# Altium PCB Thunderscope_Rev4.PCBDOC (part 6 of 7)
Units mm, origin at the board's own origin, x right, y up, seen from the top; angles counter-clockwise.
Board outline 119 x 103.6 mm, 6 copper layers (Top Layer, Int1 (GND), Int2 (Sign), Int3 (Sign), Int4 (GND), Bottom Layer), stack 1.49 mm thick; 636 components, 373 nets, 2159 pads, 1291 vias.
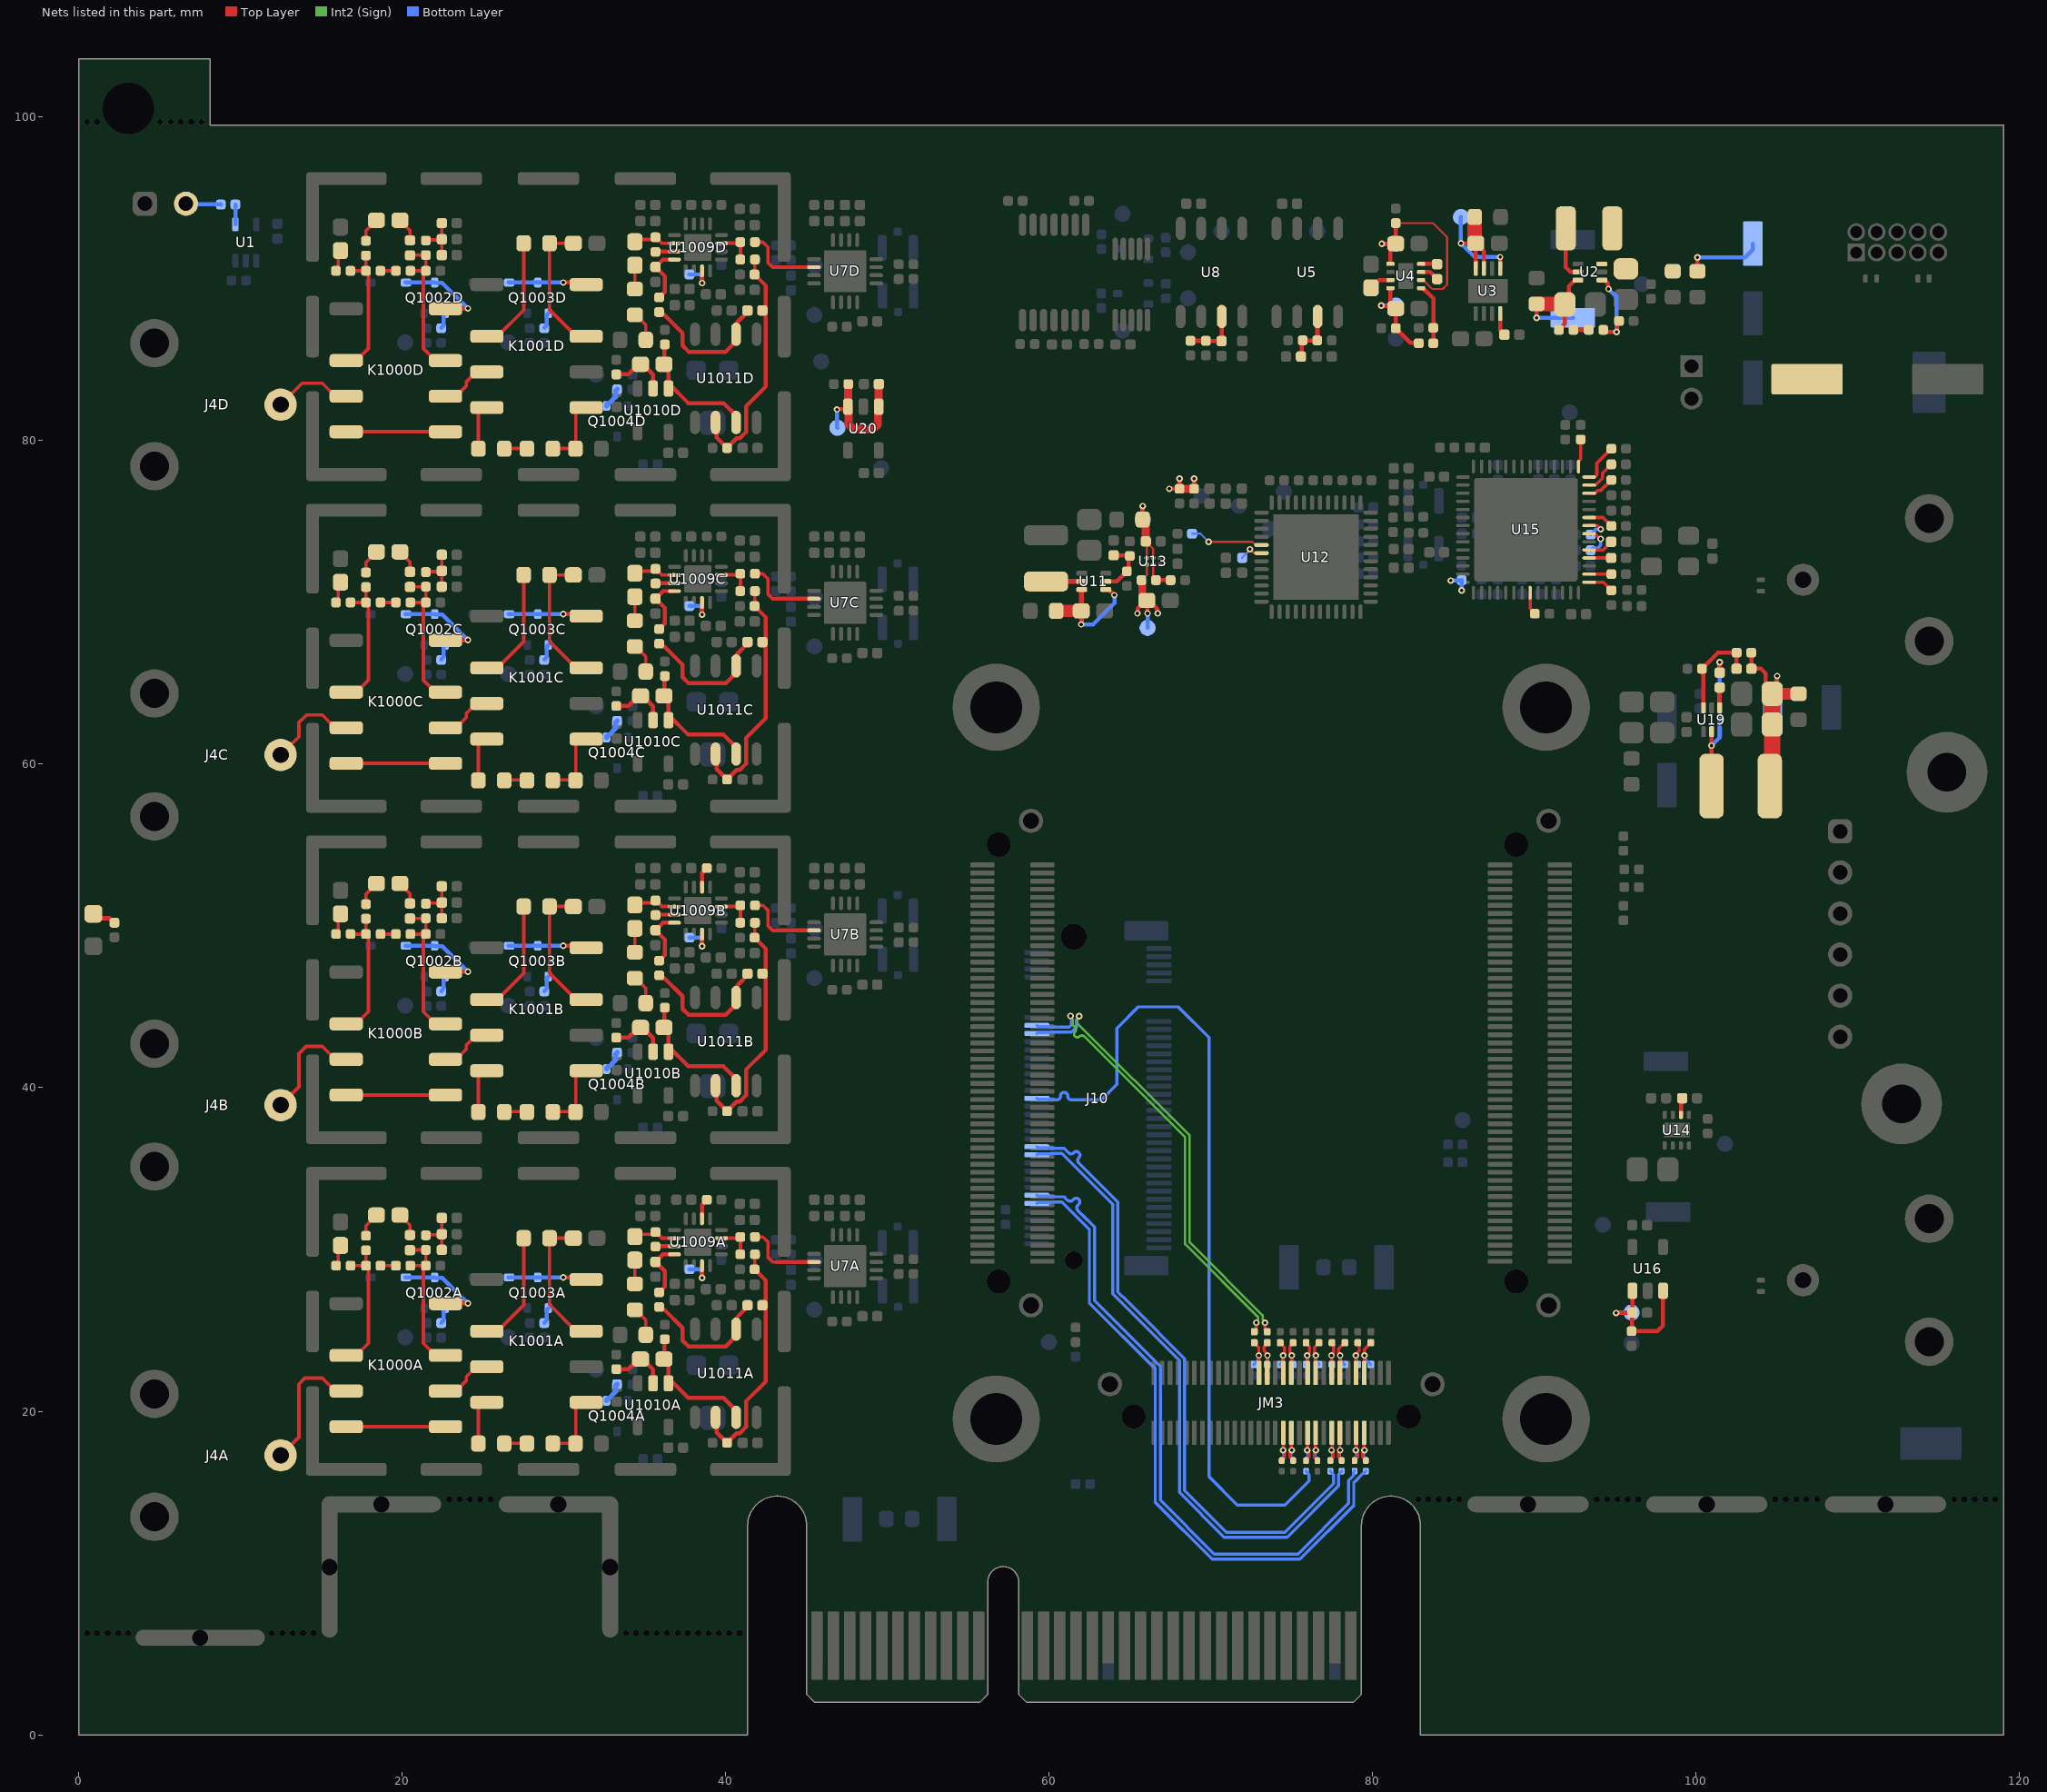
[diagram p10: the nets of this part, all layers, seen from the top]

## Via types
v1: diameter 0.406, hole 0.203, Top Layer to Bottom Layer, tented both sides, 1291 vias

## Nets (pads, with @x,y where several pads share a name; then routed paths per layer and width w, separated by ;. In a path a pad name is that pad's centre, name@x,y a point inside that pad or via, vN(x,y) a via of type N, cw(c..) or ccw(c..) an arc to the next point about the centre after c; other vN are vias at no path point) (continued)
M2_PET1_P: J10.38 R79.2 | length 51.8
  Bottom Layer w0.191: J10.38@59.225,39.35 59.282,39.293 60.069,39.293 60.103,39.259 60.378,39.259 60.474,39.259 ccw(c60.474,39.481) 60.696,39.481 60.696,39.491 cw(c60.919,39.491) 60.919,39.713 cw(c60.919,39.491) 61.141,39.491 61.141,39.481 ccw(c61.363,39.481) 61.363,39.259 61.777,39.259 63.234,39.259 64.175,40.199 64.175,43.675 65.5,45 67.974,45 69.868,43.107 69.868,15.957 71.625,14.2 74.575,14.2 76.066,15.691 76.066,16.084 75.875,16.275 R79.2@75.875,16.3
M2_PET2_N: J10.24 R74.2 | length 38.9
  Bottom Layer w0.191: J10.24@59.225,35.85 59.282,35.907 60.069,35.907 60.103,35.941 60.784,35.941 63.925,32.8 63.925,27.25 64.925,26.25 68.05,23.125 68.05,15.238 68.05,14.975 70.818,12.207 74.698,12.207 77.884,15.393 77.884,16.084 78.075,16.275 R74.2@78.075,16.3
M2_PET2_P: J10.26 R75.2 | length 38.9
  Bottom Layer w0.191: J10.26@59.225,36.35 59.282,36.293 60.069,36.293 60.103,36.259 60.916,36.259 61.125,36.05 61.192,35.982 ccw(c61.349,36.14) 61.507,35.982 61.513,35.989 cw(c61.671,35.832) 61.828,35.989 cw(c61.671,35.832) 61.828,35.674 61.821,35.668 ccw(c61.978,35.51) 61.821,35.353 61.98,35.194 62.048,35.127 64.243,32.932 64.243,27.382 64.851,26.774 65.15,26.475 68.368,23.257 68.368,15.107 70.949,12.525 74.566,12.525 77.566,15.525 77.566,16.084 77.375,16.275 R75.2@77.375,16.3
M2_PET3_N: J10.12 R70.2 | length 40.1
  Bottom Layer w0.191: J10.12@59.225,32.85 59.282,32.907 60.069,32.907 60.103,32.941 60.784,32.941 62.475,31.25 62.475,26.701 66.55,22.626 66.55,14.375 70.068,10.857 75.507,10.857 78.824,14.174 78.824,15.588 79.431,16.195 79.495,16.195 79.575,16.275 R70.2@79.575,16.3
M2_PET3_P: J10.14 R71.2 | length 40.1
  Bottom Layer w0.191: J10.14@59.225,33.35 59.282,33.293 60.069,33.293 60.103,33.259 60.916,33.259 61.062,33.112 61.13,33.045 ccw(c61.287,33.202) 61.444,33.045 61.504,33.104 cw(c61.661,32.947) 61.818,33.104 cw(c61.661,32.947) 61.818,32.79 61.759,32.73 ccw(c61.916,32.573) 61.759,32.416 61.932,32.242 62,32.175 62.793,31.382 62.793,26.832 66.868,22.757 66.868,14.507 70.199,11.175 75.375,11.175 78.506,14.306 78.506,15.72 78.809,16.023 78.809,16.234 R71.2@78.875,16.3
M2_REFCLK_N: C80.1 J10.54 | length 27.8
  Top Layer w0.191: v1(73.33,25.473) 73.33,25.361 73.342,25.35 73.342,25.048 C80.1@73.475,24.915
  Int2 (Sign) w0.148: v1(61.85,44.425) 61.85,44.355 61.725,44.23 61.725,44 68.675,37.05 68.675,30.439 73.187,25.927 73.187,25.687 73.33,25.543 v1(73.33,25.473)
  Bottom Layer w0.191: J10.54@59.225,43.35 59.282,43.407 59.982,43.407 60.016,43.441 61.36,43.441 61.676,43.757 61.676,44.192 61.85,44.367 v1(61.85,44.425)
M2_REFCLK_P: C81.1 J10.56 | length 27.7
  Top Layer w0.191: C81.1@72.675,24.915 72.808,25.048 72.808,25.462 72.82,25.473 v1(72.797,25.475) v1(72.797,25.475)
  Int2 (Sign) w0.148: v1(61.317,44.436) 61.317,44.366 61.45,44.233 61.45,44.054 61.45,43.886 61.593,43.743 cw(c61.451,43.601) 61.593,43.459 ccw(c61.735,43.317) 61.593,43.174 ccw(c61.735,43.317) 61.878,43.174 cw(c62.02,43.032) 62.162,43.175 62.214,43.122 68.4,36.936 68.4,30.325 72.912,25.813 72.912,25.659 72.797,25.545 v1(72.797,25.475)
  Bottom Layer w0.191: J10.56@59.225,43.85 59.282,43.793 59.982,43.793 60.016,43.759 61.229,43.759 61.358,43.888 61.358,44.395 v1(61.317,44.436)
MGT_CLK1_N: C40.2 C80.2 JM3.32 | length 2.6
  Top Layer w0.191: JM3.32@73.468,22.372 73.476,22.38 73.476,23.443 v1(73.485,23.452) 73.443,23.493 73.443,23.562 73.269,23.736 73.269,24.004 73.475,24.21 C80.2@73.475,24.235
  Bottom Layer w0.191: C40.2@73.45,22.89 73.463,22.903 73.463,23.431 v1(73.485,23.452)
MGT_CLK1_P: C79.2 C81.2 JM3.34 | length 2.7
  Top Layer w0.191: C81.2@72.675,24.235 72.675,24.22 72.951,23.944 v1(72.951,23.452) 72.96,23.443 72.96,22.38 JM3.34@72.968,22.372
  Bottom Layer w0.191: C79.2@72.65,22.89 72.65,22.905 72.764,23.019 72.779,23.019 72.926,23.166 72.926,23.427 v1(72.951,23.452)
MGT_RX0_N: JM3.7 R68.1 R70.1 | length 2.5
  Top Layer w0.191: JM3.7@79.468,18.672 79.452,18.656 79.452,17.624 v1(79.485,17.591) ; v1@79.485,17.533 79.375,17.423 79.375,17.175 R68.1@79.575,16.975
  Bottom Layer w0.191: v1(79.485,17.591) 79.485,17.533 79.432,17.481 79.432,17.118 79.575,16.975 R70.1@79.575,16.95
MGT_RX0_P: JM3.9 R69.1 R71.1 | length 2.5
  Top Layer w0.191: R69.1@78.875,16.975 79.057,17.157 79.057,17.427 v1@78.959,17.525 ; v1(78.951,17.591) 78.984,17.624 78.984,18.656 JM3.9@78.968,18.672
  Bottom Layer w0.191: R71.1@78.875,16.95 78.875,16.975 79.01,17.11 79.01,17.475 78.951,17.533 v1(78.951,17.591)
MGT_RX1_N: JM3.13 R72.1 R74.1 | length 2.5
  Top Layer w0.191: JM3.13@77.968,18.672 77.952,18.656 77.952,17.624 v1(77.985,17.591) ; v1@77.985,17.533 77.875,17.423 77.875,17.175 R72.1@78.075,16.975
  Bottom Layer w0.191: v1(77.985,17.591) 77.985,17.533 77.932,17.481 77.932,17.118 78.075,16.975 R74.1@78.075,16.95
MGT_RX1_P: JM3.15 R73.1 R75.1 | length 2.5
  Top Layer w0.191: R73.1@77.375,16.975 77.557,17.157 77.557,17.427 v1@77.459,17.525 ; v1(77.451,17.591) 77.484,17.624 77.484,18.656 JM3.15@77.468,18.672
  Bottom Layer w0.191: R75.1@77.375,16.95 77.375,16.975 77.51,17.11 77.51,17.475 77.451,17.533 v1(77.451,17.591)
MGT_RX2_N: JM3.19 R76.1 R78.1 | length 2.5
  Top Layer w0.191: JM3.19@76.468,18.672 76.452,18.656 76.452,17.624 v1(76.485,17.591) ; v1@76.493,17.541 76.383,17.432 76.383,17.183 R76.1@76.583,16.983
  Bottom Layer w0.191: v1(76.485,17.591) 76.485,17.533 76.432,17.481 76.432,17.118 76.575,16.975 R78.1@76.575,16.95
MGT_RX2_P: JM3.21 R77.1 R79.1 | length 2.5
  Top Layer w0.191: R77.1@75.883,16.983 76.066,17.166 76.066,17.436 v1@75.967,17.534 ; v1(75.951,17.591) 75.984,17.624 75.984,18.656 JM3.21@75.968,18.672
  Bottom Layer w0.191: R79.1@75.875,16.95 75.875,16.975 76.01,17.11 76.01,17.475 75.951,17.533 v1(75.951,17.591)
MGT_RX3_N: JM3.25 R80.1 R82.1 | length 2.6
  Top Layer w0.191: JM3.25@74.968,18.672 74.952,18.656 74.952,17.624 v1(74.985,17.591) 74.985,17.533 74.875,17.423 74.875,17.175 75.075,16.975 R80.1@75.075,16.95
  Bottom Layer w0.191: v1(74.985,17.591) 74.985,17.533 74.932,17.481 74.932,17.118 75.075,16.975 R82.1@75.075,16.95
MGT_RX3_P: JM3.27 R81.1 R83.1 | length 2.6
  Top Layer w0.191: R81.1@74.375,16.95 74.375,16.975 74.557,17.157 74.557,17.427 74.459,17.525 v1@74.459,17.591 ; v1(74.451,17.591) 74.484,17.624 74.484,18.656 JM3.27@74.468,18.672
  Bottom Layer w0.191: R83.1@74.375,16.95 74.375,16.975 74.51,17.11 74.51,17.475 74.451,17.533 v1(74.451,17.591)
MGT_TX0_N: C16.2 C62.2 JM3.8 | length 2.7
  Top Layer w0.191: JM3.8@79.476,22.38 79.476,23.822 79.875,24.22 C16.2@79.875,24.235
  Bottom Layer w0.191: v1(79.485,23.452) 79.526,23.411 79.526,23.214 79.721,23.019 79.736,23.019 79.85,22.905 C62.2@79.85,22.89
MGT_TX0_P: C15.2 C65.2 JM3.10 | length 2.6
  Top Layer w0.191: JM3.10@78.96,22.38 78.96,23.443 78.993,23.476 78.993,23.562 79.159,23.728 C65.2@79.159,24.176 ; C65.2@79.075,24.235 C65.2@79.159,24.151
  Bottom Layer w0.191: v1(78.951,23.452) 78.993,23.411 78.993,22.947 C15.2@79.05,22.89
MGT_TX1_N: C66.2 C68.2 JM3.14 | length 2.7
  Top Layer w0.191: JM3.14@77.976,22.38 v1@77.976,23.443 ; v1(77.985,23.452) 77.985,23.51 77.893,23.602 77.893,23.863 78.136,24.106 78.161,24.106 78.275,24.22 C68.2@78.275,24.235
  Bottom Layer w0.191: v1@77.987,23.436 77.992,23.431 77.992,23.148 78.121,23.019 78.136,23.019 78.25,22.905 C66.2@78.25,22.89
MGT_TX1_P: C67.2 C69.2 JM3.16 | length 2.5
  Top Layer w0.191: v1(77.451,23.452) 77.451,23.51 77.575,23.634 77.575,24.135 C69.2@77.475,24.235 ; JM3.16@77.46,22.38 v1@77.46,23.443
  Bottom Layer w0.191: C67.2@77.451,22.891 v1@77.451,23.451
MGT_TX2_N: C70.2 C72.2 JM3.20 | length 2.6
  Top Layer w0.191: JM3.20@76.476,22.38 v1@76.476,23.443 ; v1(76.485,23.452) 76.485,23.51 76.393,23.602 76.393,23.948 76.552,24.106 76.561,24.106 76.675,24.22 C72.2@76.675,24.235
  Bottom Layer w0.191: v1(76.485,23.452) 76.485,23.105 76.65,22.94 C70.2@76.65,22.89
MGT_TX2_P: C71.2 C73.2 JM3.22 | length 2.6
  Top Layer w0.191: v1@75.875,23.452 75.893,23.452 76.075,23.634 76.075,24.01 75.875,24.21 C73.2@75.875,24.235 ; JM3.22@75.96,22.38 v1@75.96,23.443
  Bottom Layer w0.191: C71.2@75.85,22.89 75.951,22.991 v1(75.951,23.452)
MGT_TX3_N: C74.2 C76.2 JM3.26 | length 2.6
  Top Layer w0.191: JM3.26@74.976,22.38 v1@74.976,23.443 ; v1(74.985,23.452) 74.985,23.51 74.868,23.627 74.868,24.003 75.075,24.21 C76.2@75.075,24.235
  Bottom Layer w0.191: v1(74.985,23.452) 74.985,22.955 C74.2@75.05,22.89
MGT_TX3_P: C75.2 C77.2 JM3.28 | length 2.7
  Top Layer w0.191: C77.2@74.275,24.235 74.275,24.22 74.389,24.106 74.398,24.106 74.55,23.955 74.55,23.609 74.447,23.506 v1@74.447,23.452 ; JM3.28@74.46,22.38 v1@74.46,23.443
  Bottom Layer w0.191: C75.2@74.25,22.89 74.25,22.915 74.451,23.116 v1(74.451,23.452)
NetC2_2: C2.2 C111.1 L1.1 R3.1 R5.1 TP3.1 U2.3 | length 4.8
  Top Layer w0.254: R5.1@100.075,90.475 v1(100.075,91.325)
  Bottom Layer w0.254: v1(100.075,91.325) 103.027,91.325 103.5,91.798 TP3.1@103.5,92.175
NetC3_2: C3.2 R4.1 R10.2 TP1.1 U2.6 | length 8.5
  Top Layer w0.254: v1(90.125,87.6) R4.1@90.125,88.45 ; R10.2@91.5,86.85 91.875,87.225 C3.2@91.875,88.425 ; C3.2@91.85,88.45 C3.2@91.875,88.425 ; U2.6@92.685,89.925 92.5,89.925 92.137,89.562 92.137,88.687 C3.2@91.875,88.425
  Top Layer w0.9: R4.1@90.125,88.45 C3.2@91.85,88.45
  Bottom Layer w0.254: v1(90.125,87.6) TP1.1@92.375,87.6
NetC4_2: C4.2 U14.6 | length 1.1
  Top Layer w0.254: U14.6@99.05,38.325 99.052,38.327 99.052,39.287 C4.2@99.115,39.35
NetC5_2: C5.2 R9.1 R11.2 TP12.1 U4.4 | length 6.1
  Top Layer w0.254: v1(80.525,88.35) 80.554,88.321 C5.2@81.27,88.321 ; U4.4@81.091,89.426 81.091,88.501 C5.2@81.27,88.321 ; R11.2@82.841,86.026 82.815,86.051 82.324,86.051 R9.1@81.425,86.95 81.42,86.955 81.42,88.171 C5.2@81.416,88.176 C5.2@81.27,88.321
  Bottom Layer w0.254: v1(80.525,88.35) TP12.1@81.425,88.35
NetC6_2: C6.2 R7.2 TP9.1 U3.5 U3.7 U3.8 | length 11
  Top Layer w0.25: U3.8@86.373,90.647 C6.2@86.373,92.187 ; C6.2@86.378,92.2 86.875,91.703 U3.7@86.875,90.645 ; U3.5@87.875,90.645 v1(87.875,91.35)
  Top Layer w0.254: v1(85.45,92.2) C6.2@86.37,92.2 ; U3.8@86.373,90.647 U3.8@86.375,90.645 ; C6.2@86.373,92.187 86.373,92.197 C6.2@86.37,92.2 ; C6.2@86.378,92.2 C6.2@86.37,92.2
  Top Layer w0.9: R7.2@86.305,93.825 86.305,92.225 86.33,92.2 C6.2@86.37,92.2
  Bottom Layer w0.254: TP9.1@85.45,93.825 v1(85.45,92.2) 86.3,91.35 v1(87.875,91.35)
NetC8_2: C8.2 R8.2 TP11.1 U4.1 U4.6 | length 12.8
  Top Layer w0.127: R8.2@81.425,93.45 83.725,93.45 84.6,92.575 84.6,89.65 84.325,89.375 83.666,89.375 83.116,89.926 U4.6@82.991,89.926
  Top Layer w0.254: v1(80.56,92.175) C8.2@81.416,92.176 81.091,91.851 U4.1@81.091,90.926 ; C8.2@81.416,92.176 81.42,92.18 81.42,93.445 R8.2@81.425,93.45
  Bottom Layer w0.254: v1(80.56,92.175) TP11.1@81.4,92.175
NetC9_1: C9.1 U4.7 | length 1.2
  Top Layer w0.254: U4.7@82.991,90.426 83.539,90.426 C9.1@83.975,89.99
NetC9_2: C9.2 U4.8 | length 1
  Top Layer w0.254: U4.8@82.991,90.926 82.993,90.924 83.961,90.924 C9.2@83.975,90.91
NetC10_2: C10.2 U3.4 | length 1.4
  Top Layer w0.254: U3.4@87.875,87.855 87.875,86.833 88.14,86.568 C10.2@88.14,86.55
NetC11_2: C11.2 U4.3 | length 1.4
  Top Layer w0.254: C11.2@79.891,89.451 79.9,89.451 80.375,89.926 U4.3@81.091,89.926
NetC19_2: C19.2 R24.1 R25.2 U8.3 | length 3.5
  Top Layer w0.254: R24.1@68.725,86.175 R25.2@69.675,86.175 69.682,86.168 70.643,86.168 C19.2@70.65,86.16 70.655,86.165 70.655,87.67 U8.3@70.66,87.675
NetC51_1: C51.1 R37.1 R39.2 U11.5 | length 3.6
  Top Layer w0.254: U11.5@63.49,71.3 64.175,71.3 64.9,72.025 64.9,72.8 R37.1@64.975,72.875 64.955,72.895 63.995,72.895 C51.1@63.975,72.915
NetC52_2: C52.2 R36.2 TP27.1 U11.3 U11.4 | length 8.3
  Top Layer w0.254: v1(61.975,68.645) C52.2@61.975,69.475 C52.2@61.992,69.492 ; U11.3@61.992,70.782 U11.3@62.01,70.8 ; U11.4@63.49,70.8 63.675,70.8 v1(64.025,70.45)
  Top Layer w0.3: C52.2@61.992,69.492 U11.3@61.992,70.782
  Top Layer w0.75: R36.2@60.425,69.475 C52.2@61.975,69.475
  Bottom Layer w0.254: TP27.1@61.975,69.475 v1(61.975,68.645) 62.72,68.645 64.025,69.95 v1(64.025,70.45)
NetC59_2: C59.2 R58.2 TP36.1 U13.A2 U13.B2 | length 5.3
  Top Layer w0.127: C59.2@65.965,73.775 C59.2@66.025,73.715 ; U13.A2@66.025,72.75 C59.2@66.025,73.715 ; U13.B2@66.425,72.75 66.425,73.315 C59.2@66.025,73.715
  Top Layer w0.254: R58.2@65.775,75.125 v1(65.775,75.955)
  Top Layer w0.5: R58.2@65.775,75.125 65.965,74.935 C59.2@65.965,73.775
  Bottom Layer w0.254: TP36.1@65.775,75.125 v1(65.775,75.955)
NetC60_2: C60.2 FB1.1 FB2.1 FB3.1 R59.2 TP37.1 U13.A1 | length 10.5
  Top Layer w0.127: R59.2@65.7,71.375 66.025,71.7 U13.A1@66.025,72.35
  Top Layer w0.254: v1(65.45,69.325) 65.465,69.34 65.465,69.628 65.962,70.125 65.975,70.125 C60.2@66.025,70.125 ; v1(66.075,69.32) 66.05,69.345 66.05,70.1 C60.2@66.025,70.125 ; v1(66.7,69.325) 66.671,69.354 66.671,69.589 66.135,70.125 C60.2@66.025,70.125 ; v1(67.42,77.025) FB2.1@68.05,77.025 v1(68.05,77.655) ; FB1.1@68.95,77.025 v1(68.95,77.655)
  Top Layer w0.5: R59.2@65.7,71.375 65.75,71.325 65.75,70.35 C60.2@65.975,70.125 ; FB2.1@68.05,77.025 FB1.1@68.95,77.025
  Bottom Layer w0.254: TP37.1@66.075,68.425 v1(66.075,69.32) ; v1(84.825,71.35) 84.837,71.362 85.487,71.362 FB3.1@85.5,71.375 v1(85.5,70.745)
NetC96_1: C96.1 U15.15 | length 1.6
  Top Layer w0.2: U15.15@93.375,71.25 94.26,71.25 C96.1@94.75,70.76
NetC97_1: C97.1 U15.16 | length 1.4
  Top Layer w0.2: U15.16@93.375,71.75 C97.1@94.74,71.75
NetC98_1: C98.1 U15.18 | length 1.4
  Top Layer w0.2: U15.18@93.375,72.75 C98.1@94.74,72.75
NetC99_1: C99.1 U15.19 | length 1.6
  Top Layer w0.2: U15.19@93.375,73.25 94.24,73.25 C99.1@94.74,73.75
NetC100_2: C100.2 R14.1 R16.2 U5.3 | length 3.4
  Top Layer w0.254: C100.2@75.56,85.2 75.613,85.253 75.613,86.147 R14.1@75.665,86.2 R16.2@76.565,86.2 76.578,86.212 76.578,87.662 U5.3@76.59,87.675
NetC105_2: C105.2 R104.2 TP30.1 U16.1 U16.3 | length 8.7
  Top Layer w0.254: v1(95.05,26.075) 95.063,26.088 96.027,26.088 C105.2@96.04,26.1 ; U16.1@96.05,27.45 96.045,27.445 96.045,26.105 C105.2@96.04,26.1 ; U16.3@97.95,27.45 97.95,25.3 97.6,24.95 R104.2@96,24.95 96.04,24.99 C105.2@96.04,26.1
  Bottom Layer w0.254: v1(95.05,26.075) 95.063,26.088 95.987,26.088 TP30.1@96,26.1
NetC117_1: C117.1 L3.1 U19.2 | length 9.4
  Top Layer w0.254: L3.1@100.95,58.65 v1(100.95,61.15) U19.2@100.95,62.01 ; C117.1@101.45,65.66 v1@101.451,66.297
  Bottom Layer w0.254: v1(100.95,61.15) 101.452,61.652 v1(101.452,66.298)
NetC117_2: C117.2 U19.4 | length 1.3
  Top Layer w0.254: U19.4@101.45,63.49 C117.2@101.45,64.74
NetC118_1: C118.1 R113.1 R114.2 U19.6 | length 6
  Top Layer w0.254: U19.6@100.45,63.49 100.427,63.513 100.427,65.823 R114.2@100.35,65.9 101.35,66.9 R113.1@102.5,66.9 102.495,66.895 102.495,65.905 C118.1@102.49,65.9
NetC118_2: C118.2 C122.2 C123.2 L3.2 R112.1 R113.2 TP48.1 | length 14.1
  Top Layer w0.254: R113.2@103.4,66.9 103.405,66.895 103.405,65.905 C118.2@103.41,65.9 104,65.9 104.299,65.601 104.299,64.751 C123.2@104.7,64.35 105,64.65 v1(105,65.45)
  Top Layer w0.75: C123.2@104.7,64.35 R112.1@106.325,64.35
  Top Layer w1: L3.2@104.55,58.65 104.7,58.8 C122.2@104.7,62.45 C123.2@104.7,64.35
  Bottom Layer w0.254: TP48.1@104.725,63.5 105,63.775 v1(105,65.45)
NetC125_2: C125.2 R117.2 TP52.1 U20.1 U20.3 | length 9
  Top Layer w0.254: v1(46.868,81.93) 46.897,81.959 47.409,81.959 U20.3@47.55,82.1
  Top Layer w0.5: R117.2@47.575,83.5 47.563,83.488 47.563,82.113 U20.3@47.55,82.1 47.6,82.05 47.6,80.993 47.893,80.7 49.107,80.7 49.4,80.993 49.4,82.05 49.455,82.105 49.455,83.495 C125.2@49.46,83.5
  Bottom Layer w0.254: v1(46.868,81.93) 46.884,81.914 46.884,80.816 TP52.1@46.9,80.8
NetC1022A_1: C1022A.1 K1001A.7 R1027A.2 | length 8.5
  Top Layer w0.213: C1022A.1@30.575,30.7 R1027A.2@29.1,30.7 29.1,26.585 30.735,24.95 K1001A.7@31.365,24.95
NetC1022B_1: C1022B.1 K1001B.7 R1027B.2 | length 8.5
  Top Layer w0.213: C1022B.1@30.575,51.2 R1027B.2@29.1,51.2 29.1,47.085 30.735,45.45 K1001B.7@31.365,45.45
NetC1022C_1: C1022C.1 K1001C.7 R1027C.2 | length 8.5
  Top Layer w0.213: C1022C.1@30.575,71.7 R1027C.2@29.1,71.7 29.1,67.585 30.735,65.95 K1001C.7@31.365,65.95
NetC1022D_1: C1022D.1 K1001D.7 R1027D.2 | length 8.5
  Top Layer w0.213: C1022D.1@30.575,92.2 R1027D.2@29.1,92.2 29.1,88.085 30.735,86.45 K1001D.7@31.365,86.45
NetC1023A_1: C1023A.1 R1037A.1 | length 1.5
  Top Layer w0.213: C1023A.1@19.85,32.125 20.475,31.5 R1037A.1@20.475,30.89
NetC1023A_2: C1023A.2 R1036A.2 | length 1.9
  Top Layer w0.213: R1036A.2@17.875,30.975 R1036A.2@17.75,30.85 17.75,31.469 18.4,32.12 C1023A.2@18.4,32.125 C1023A.2@18.275,32
NetC1023B_1: C1023B.1 R1037B.1 | length 1.5
  Top Layer w0.213: C1023B.1@19.85,52.625 20.475,52 R1037B.1@20.475,51.39
NetC1023B_2: C1023B.2 R1036B.2 | length 1.9
  Top Layer w0.213: R1036B.2@17.875,51.475 R1036B.2@17.75,51.35 17.75,51.969 18.4,52.62 C1023B.2@18.4,52.625 C1023B.2@18.275,52.5
NetC1023C_1: C1023C.1 R1037C.1 | length 1.5
  Top Layer w0.213: C1023C.1@19.85,73.125 20.475,72.5 R1037C.1@20.475,71.89
NetC1023C_2: C1023C.2 R1036C.2 | length 1.9
  Top Layer w0.213: R1036C.2@17.875,71.975 R1036C.2@17.75,71.85 17.75,72.469 18.4,73.12 C1023C.2@18.4,73.125 C1023C.2@18.275,73
NetC1023D_1: C1023D.1 R1037D.1 | length 1.5
  Top Layer w0.213: C1023D.1@19.85,93.625 20.475,93 R1037D.1@20.475,92.39
NetC1023D_2: C1023D.2 R1036D.2 | length 1.9
  Top Layer w0.213: R1036D.2@17.875,92.475 R1036D.2@17.75,92.35 17.75,92.969 18.4,93.62 C1023D.2@18.4,93.625 C1023D.2@18.275,93.5
NetC1024A_2: C1024A.2 R1030A.1 | length 1.4
  Top Layer w0.213: R1030A.1@15.9,29 16.037,29.137 16.037,30.113 C1024A.2@16.175,30.25 C1024A.2@16.194,30.269
NetC1024B_2: C1024B.2 R1030B.1 | length 1.4
  Top Layer w0.213: R1030B.1@15.9,49.5 16.037,49.637 16.037,50.612 C1024B.2@16.175,50.75 C1024B.2@16.194,50.769
NetC1024C_2: C1024C.2 R1030C.1 | length 1.4
  Top Layer w0.213: R1030C.1@15.9,70 16.037,70.138 16.037,71.113 C1024C.2@16.175,71.25 C1024C.2@16.194,71.269
NetC1024D_2: C1024D.2 R1030D.1 | length 1.4
  Top Layer w0.213: R1030D.1@15.9,90.5 16.037,90.637 16.037,91.613 C1024D.2@16.175,91.75 C1024D.2@16.194,91.769
NetC1025A_2: C1025A.2 C1026A.2 C1027A.2 R1032A.1 | length 3